# Altium PCB DB31.PcbDoc (part 4 of 8)
Units mil, origin at the board's own origin, x right, y up, seen from the top; angles counter-clockwise.
Board outline 3236.22 x 4456.69 mil, 8 copper layers (Top Layer, MidLayer1, MidLayer2, GND-Layer5, MidLayer3, VCC, MidLayer4, Bottom Layer), stack 61.8 mil thick; 226 components, 469 nets, 1815 pads, 1562 vias.
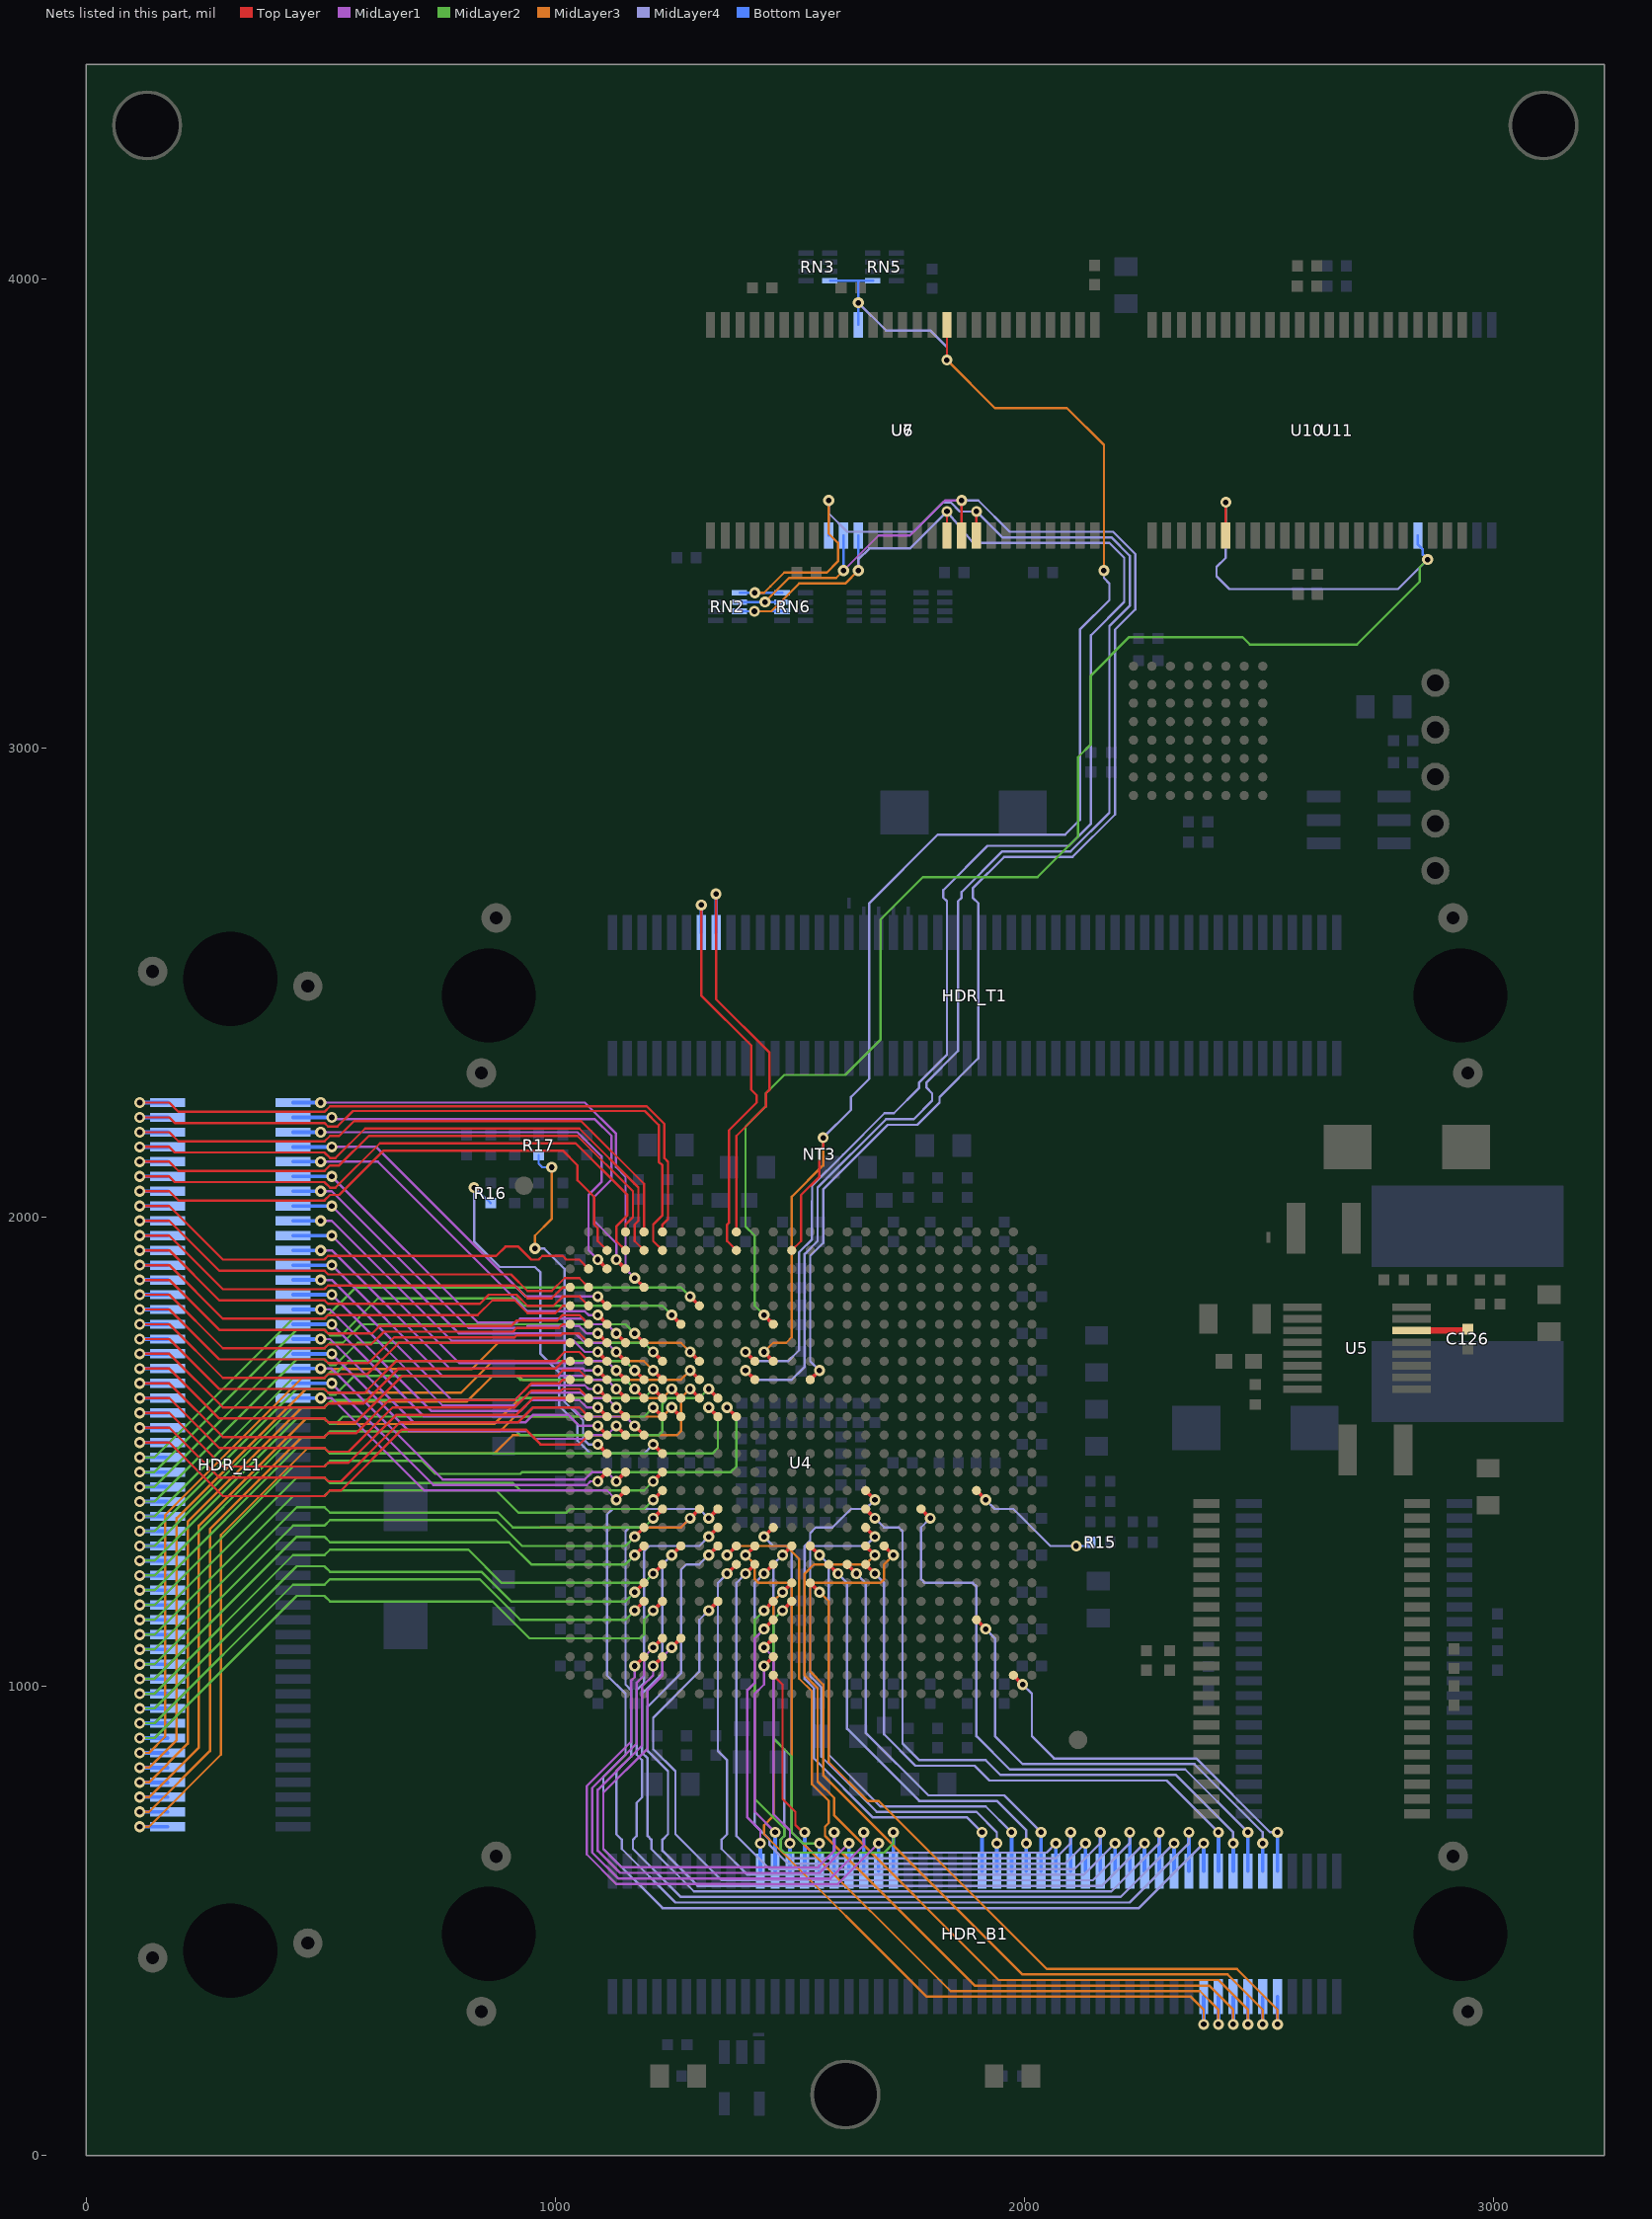
[diagram p10: the nets of this part, all layers, seen from the top]

## Via types
v1: diameter 23.62, hole 11.81, Top Layer to Bottom Layer, 947 vias
v2: diameter 23.62, hole 11.81, Top Layer to Bottom Layer, tented both sides, 476 vias
v3: diameter 27.56, hole 15.75, Top Layer to Bottom Layer, 138 vias
v4: diameter 23.62, hole 11.81, Top Layer to Bottom Layer, tented top, 1 vias

## Nets (pads, with @x,y where several pads share a name; then routed paths per layer and width w, separated by ;. In a path a pad name is that pad's centre, name@x,y a point inside that pad or via, vN(x,y) a via of type N, cw(c..) or ccw(c..) an arc to the next point about the centre after c; other vN are vias at no path point) (continued)
BUS_SDRAM_CLK: NT3.2 RN3.8 RN5.5 U4.H12 U6.38 U7.38 | length 3402.8
  Top Layer w5: NT3.2@1562.99,2141.73 1570.87,2149.61 v1(1570.87,2169.29) ; v2(1834.64,3826.77) U6.38@1834.65,3901.57
  Top Layer w7.87: v1(1444.88,1712.6) U4.H12@1464.57,1692.91
  MidLayer3 w5: v1(1444.88,1712.6) 1464.57,1732.28 1492.13,1732.28 1503.94,1744.09 1503.94,2031.49 1503.94,2039.37 1503.94,2043.31 1570.87,2110.24 v1(1570.87,2169.29) ; v2(1834.64,3826.77) 1937,3724.41 2090.55,3724.41 2169.29,3645.67 v1(2169.29,3377.95)
  MidLayer4 w5: v1(1570.87,2169.29) 1629.92,2228.35 1629.92,2255.91 1669.29,2295.28 1669.29,2669.29 1814.96,2814.96 2086.61,2814.96 2118.11,2846.46 2118.11,3251.97 2181.1,3314.96 2181.1,3350.39 2169.29,3362.2 v1(2169.29,3377.95) ; v2(1645.67,3948.82) 1704.72,3889.76 1799.21,3889.76 1834.64,3854.34 v2(1834.64,3826.77)
  Bottom Layer w5: RN3.8@1586.22,3996.06 RN5.5@1676.19,3996.06 RN5.5@1677.56,3996.06 ; U7.38@1645.67,3901.57 v2(1645.67,3948.82) 1645.67,3996.06
BUS_SDRAM_FEEDBACK: NT3.1 U4.B13 | length 221.3
  Top Layer w5: U4.B13@1503.94,1929.13 1523.62,1948.82 1523.62,2047.24 1562.99,2086.61 NT3.1@1562.99,2125.98
BUS_SDRAM_NCAS: RN2.7 RN6.6 U4.H11 U6.17 U7.17 | length 3407.4
  Top Layer w5: U6.17@1834.65,3452.76 1834.64,3499.99 v1(1834.65,3503.94)
  Top Layer w7.87: v1(1405.51,1712.6) U4.H11@1425.2,1692.91
  MidLayer3 w5: v1(1424.23,3291.34) 1460.63,3291.34 1519.68,3350.39 1618.11,3350.39 v2(1645.67,3377.95)
  MidLayer4 w5: v1(1405.51,1712.6) 1425.2,1692.91 1496.06,1692.91 1519.68,1716.54 1519.68,1925.2 1547.24,1952.76 1547.24,2031.5 1547.49,2039.37 1547.49,2067.18 1613.19,2132.87 1701.77,2221.46 1721.46,2221.46 1775.59,2275.59 1775.59,2287.4 1834.65,2346.46 1834.65,2673.23 1826.77,2681.1 1826.77,2696.85 1921.26,2791.34 2094.49,2791.34 2141.73,2838.58 2141.73,3240.16 2212.6,3311.02 2212.6,3405.51 2181.1,3437.01 1890.42,3437.01 v1(1834.65,3503.94) 1755.91,3425.2 1669.29,3425.2 1645.67,3401.57 v2(1645.67,3377.95)
  Bottom Layer w5: RN2.7@1393.3,3291.34 v1(1424.23,3291.34) RN6.6@1483.28,3291.34 RN6.6@1484.64,3291.34 ; v2(1645.67,3377.95) U7.17@1645.67,3452.76
BUS_SDRAM_NCS: RN2.5 RN6.8 U4.J11 U6.19 U7.19 | length 3648.5
  Top Layer w5: U6.19@1897.64,3452.76 v2(1897.63,3503.93)
  Top Layer w7.87: v1(1405.51,1673.23) U4.J11@1425.2,1653.54
  MidLayer3 w5: v1(1425.2,3330.71) 1444.88,3330.71 1458.54,3344.36 1488.19,3374.02 1578.74,3374.02 1602.36,3397.64 1602.36,3437.01 1582.68,3456.69 v2(1582.68,3527.56)
  MidLayer4 w5: v1(1405.51,1673.23) 1425.2,1653.54 1503.94,1653.54 1527.56,1677.16 ; 1519.68,1669.28 1531.5,1681.09 1531.5,1921.26 1559.06,1948.82 1559.06,2031.5 1559.06,2039.37 1559.06,2062.99 1704.72,2208.66 1763.78,2208.66 1803.15,2248.03 1803.15,2263.78 1791.34,2275.59 1791.34,2287.4 1858.27,2354.33 1858.27,2673.23 1866.14,2681.1 1866.14,2692.91 1952.76,2779.53 2098.43,2779.53 2181.1,2862.2 2181.1,3259.84 2224.41,3303.15 2224.41,3409.45 2185.04,3448.82 1952.76,3448.82 v2(1897.63,3503.93) 1862.21,3503.93 1842.52,3523.62 1826.77,3523.62 1763.78,3460.63 1622.05,3460.63 1582.68,3500 v2(1582.68,3527.56)
  Bottom Layer w5: RN2.5@1393.31,3330.71 v1(1425.2,3330.71) RN6.8@1483.28,3330.71 RN6.8@1484.26,3330.71 ; U7.19@1582.68,3452.76 v2(1582.68,3527.56)
BUS_SDRAM_NRAS: RN2.6 RN6.7 U4.J14 U6.18 U7.18 | length 3371.3
  Top Layer w5: U6.18@1866.14,3452.76 v1(1866.14,3527.55)
  Top Layer w7.87: U4.J14@1543.31,1653.54 v1(1562.99,1673.23)
  MidLayer1 w5: v2(1614.17,3377.95) 1688.98,3452.76 1755.91,3452.76 1830.7,3527.55 v1(1866.14,3527.55)
  MidLayer3 w5: v1(1446.86,3311.02) 1498.05,3362.2 1598.43,3362.2 v2(1614.17,3377.95)
  MidLayer4 w5: v1(1562.99,1673.23) 1543.31,1692.91 1543.31,1917.32 1570.87,1944.88 1570.87,2031.5 1570.87,2039.37 1570.87,2059.05 1708.66,2196.85 1771.65,2196.85 1818.9,2244.09 1818.9,2255.91 1901.57,2338.58 1901.57,2669.29 1889.76,2681.1 1889.76,2700.79 1956.69,2767.72 2102.36,2767.72 2192.91,2858.27 2192.91,3251.97 2236.22,3295.28 2236.22,3413.39 2188.98,3460.63 1968.5,3460.63 1901.58,3527.55 v1(1866.14,3527.55) v1@1858.27,3531.5
  Bottom Layer w5: RN2.6@1393.3,3311.02 v1(1446.86,3311.02) RN6.7@1483.28,3311.03 RN6.7@1484.64,3311.02 ; v2(1614.17,3377.95) U7.18@1614.17,3452.76
BUS_SRAM_NCS: U4.F12 U10.6 U11.6 | length 3565.7
  Top Layer w5: U10.6@2429.13,3452.76 2429.13,3503.94 v2(2429.13,3523.62)
  Top Layer w7.87: v1(1444.88,1791.34) U4.F12@1464.57,1771.65
  MidLayer2 w5: v1(1444.88,1791.34) 1425.2,1811.02 1425.2,1866.14 1425.2,1960.62 1405.51,1980.31 1405.51,2031.49 1405.51,2039.37 1405.51,2192.91 1448.82,2236.22 1448.82,2244.09 1448.82,2263.78 1488.19,2303.15 1618.11,2303.15 1692.91,2377.95 1692.91,2633.86 1783.46,2724.41 2027.56,2724.41 2114.17,2811.02 2114.17,2980.32 2141.73,3007.87 2141.73,3154.53 2223.42,3236.22 2464.57,3236.22 2480.32,3220.47 2708.66,3220.47 2842.52,3354.33 2842.52,3384.83 v2(2859.27,3401.57)
  MidLayer4 w5: v2(2429.13,3523.62) 2429.13,3405.51 2409.45,3385.83 2409.45,3366.14 2437.01,3338.58 2796.28,3338.58 v2(2859.27,3401.57)
  Bottom Layer w5: U11.6@2838.58,3452.76 2838.58,3433.42 2848.92,3423.08 2848.92,3411.92 v2(2859.27,3401.57)
BUZZER: HDR_B1.40 U4.AA12 | length 931.1
  Top Layer w7.87: v1(1444.88,1161.41) U4.AA12@1464.57,1181.1
  MidLayer2 w5: v1(1444.88,1161.41) 1425.2,1141.73 1425.2,921.26 1425.2,909.45 1425.2,759.84 1488.19,696.85 1488.19,681.1 1480.31,673.23 1480.31,653.54 1488.19,645.67 1700.79,645.67 1720.47,665.35 v2(1720.47,688.98)
  Bottom Layer w7.87: HDR_B1.40@1720.48,606.3 v2(1720.47,688.98)
CAN_RXD: HDR_T1.14 U4.B10 | length 878.4
  Top Layer w5: v2(1311.02,2665.35) 1311.02,2472.44 1417.32,2366.14 1417.32,2271.65 1429.13,2259.84 1429.13,2244.09 1370.08,2185.04 1370.08,2043.31 1370.08,2031.5 1370.08,1988.19 1366.14,1984.25 1366.14,1948.82 U4.B10@1385.83,1929.13
  Bottom Layer w7.87: HDR_T1.14@1311.02,2606.3 v2(1311.02,2665.35)
CAN_TXD: HDR_T1.16 U4.A10 | length 879.8
  Top Layer w5: v2(1342.52,2688.98) 1342.52,2464.57 1456.69,2350.39 1456.69,2271.66 1448.82,2263.78 1448.82,2236.22 1385.83,2173.23 1385.83,2043.31 1385.83,2031.5 U4.A10@1385.83,1968.5
  Bottom Layer w7.87: HDR_T1.16@1342.52,2606.3 v2(1342.52,2688.98)
COMP: C126.2 U5.6 | length 121.4
  Top Layer w13.78: U5.6@2824.58,1758.25 2942.3,1758.25 C126.2@2944.88,1760.82
CONF_DONE: R15.2 U4.R23 | length 302.6
  Top Layer w7.87: U4.R23@1897.64,1417.32 v1(1917.33,1397.64)
  MidLayer4 w5: v1(1917.33,1397.64) 1937.01,1377.95 1976.38,1377.95 2055.12,1299.21 v1(2110.24,1299.21)
  Bottom Layer w5: v1@2110.24,1307.08 v1(2110.24,1299.21) 2132.36,1299.21 R15.2@2140.23,1307.08
DATA0: R17.2 U4.N3 | length 760.6
  Top Layer w7.87: v1(1090.55,1515.75) U4.N3@1110.24,1496.06
  MidLayer3 w5: v1(956.69,1933.07) 956.69,1960.63 992.13,1996.06 v1(992.13,2106.3)
  MidLayer4 w5: v1(956.69,1933.07) 976.38,1933.07 1019.69,1889.76 1019.69,1606.3 1059.06,1566.93 1059.06,1527.56 1070.87,1515.75 v1(1090.55,1515.75)
  Bottom Layer w5: R17.2@964.56,2132.36 964.56,2114.18 972.44,2106.3 v1(992.13,2106.3)
DAU_RESET_SW: HDR_B1.38 U4.AD5 | length 1214.9
  Top Layer w7.87: v1(1169.29,1043.3) U4.AD5@1188.98,1062.99
  MidLayer1 w5: v1(1169.29,1043.3) 1169.29,1019.68 1161.42,1011.81 1161.42,921.26 1161.42,909.45 1161.42,881.89 1066.93,787.4 1066.93,641.73 1129.92,578.74 1602.36,578.74 v2(1688.98,665.35)
  Bottom Layer w7.87: HDR_B1.38@1688.98,606.3 v2(1688.98,665.35)
DAU_TFT_BLIGHT: HDR_B1.91 U4.Y14 | length 1664
  Top Layer w7.87: U4.Y14@1543.31,1220.47 v1(1562.99,1200.78)
  MidLayer3 w5: v1(1562.99,1200.78) 1582.68,1181.1 1582.68,921.26 1582.68,909.45 1582.68,838.58 1665.35,755.91 1688.98,755.91 2047.24,397.64 2452.76,397.64 2539.37,311.02 v2(2539.37,279.53)
  Bottom Layer w7.87: v2(2539.37,279.53) HDR_B1.91@2539.37,338.58
DAU_TFT_BLUE0: HDR_B1.62 U4.U12 | length 1346.5
  Top Layer w7.87: v1(1444.88,1318.9) U4.U12@1464.57,1338.58
  MidLayer4 w5: v1(1444.88,1318.9) 1464.57,1299.21 1492.13,1299.21 1503.94,1287.4 1503.94,921.26 1503.94,909.45 1503.94,688.98 1547.24,645.67 2047.24,645.67 v2(2066.93,665.35)
  Bottom Layer w7.87: HDR_B1.62@2066.93,606.3 v2(2066.93,665.35)
DAU_TFT_BLUE1: HDR_B1.64 U4.V13 | length 1420.6
  Top Layer w7.87: v1(1484.25,1279.53) U4.V13@1503.94,1299.21
  MidLayer4 w5: v1(1484.25,1279.53) 1464.57,1259.84 1464.57,921.26 1464.57,909.45 1464.57,889.76 1488.19,866.14 1488.19,681.1 1480.31,673.23 1480.31,653.54 1500,633.86 2066.93,633.86 2098.42,665.35 v2(2098.42,688.98)
  Bottom Layer w7.87: v2(2098.42,688.98) HDR_B1.64@2098.43,606.3
DAU_TFT_BLUE2: HDR_B1.66 U4.W12 | length 1394.3
  Top Layer w7.87: v1(1444.88,1240.16) U4.W12@1464.57,1259.84
  MidLayer4 w5: v1(1444.88,1240.16) 1425.2,1220.47 1425.2,921.26 1425.2,909.45 1425.2,704.72 1456.69,673.23 1456.69,661.42 1496.06,622.05 2086.62,622.05 v2(2129.92,665.35)
  Bottom Layer w7.87: HDR_B1.66@2129.92,606.3 v2(2129.92,665.35)
DAU_TFT_BLUE3: HDR_B1.68 U4.W11 | length 1529.1
  Top Layer w7.87: v1(1405.51,1240.16) U4.W11@1425.2,1259.84
  MidLayer4 w5: v1(1405.51,1240.16) 1385.83,1220.47 1385.83,921.26 1385.83,909.45 1385.83,681.1 1456.69,610.24 2106.3,610.24 2161.42,665.35 v2(2161.42,688.98)
  Bottom Layer w7.87: HDR_B1.68@2161.42,606.3 v2(2161.42,688.98)
DAU_TFT_BLUE4: HDR_B1.70 U4.W10 | length 1583.8
  Top Layer w7.87: v1(1366.14,1240.16) U4.W10@1385.83,1259.84
  MidLayer4 w5: v1(1366.14,1240.16) 1346.46,1220.47 1346.46,921.26 1346.46,909.45 1346.46,862.2 1366.14,842.52 1366.14,685.04 1354.33,673.23 1354.33,653.54 1409.45,598.43 2125.98,598.43 v2(2192.91,665.35)
  Bottom Layer w7.87: HDR_B1.70@2192.92,606.3 v2(2192.91,665.35)
DAU_TFT_CL1: HDR_B1.88 U4.T20 | length 1355.7
  Top Layer w7.87: U4.T20@1779.53,1377.95 v1(1799.22,1358.27)
  MidLayer4 w5: v1(1799.22,1358.27) 1779.53,1338.58 1779.53,1228.35 1787.4,1220.47 1889.76,1220.47 1897.64,1212.6 1897.64,921.26 1897.64,911.26 1897.64,893.7 1968.5,822.83 2342.52,822.83 v2@2476.38,688.98
  Bottom Layer w7.87: HDR_B1.88@2476.38,606.3 v2(2476.38,688.98)
DAU_TFT_CL2: HDR_B1.90 U4.AB23 | length 1061.7
  Top Layer w7.87: U4.AB23@1897.64,1141.73 v1(1917.33,1122.04)
  MidLayer4 w5: v1(1917.33,1122.04) 1937.01,1102.36 1937.01,921.26 1937.01,909.45 1937.01,893.7 1996.06,834.65 2362.2,834.65 2507.87,688.98 v2(2507.87,665.35)
  Bottom Layer w7.87: v2(2507.87,665.35) HDR_B1.90@2507.88,606.3 v2(2507.87,665.35)
DAU_TFT_CL3: HDR_B1.92 U4.AE25 | length 837.3
  Top Layer w7.87: U4.AE25@1976.38,1023.62 v1(1996.07,1003.94)
  MidLayer4 w5: v1(1996.07,1003.94) 2015.75,984.25 2015.75,921.26 2015.75,909.45 2015.75,893.7 2062.99,846.46 2366.14,846.46 2523.62,688.98 v2(2539.37,688.98)
  Bottom Layer w7.87: HDR_B1.92@2539.37,606.3 v2(2539.37,688.98)
DAU_TFT_DISP_ON: HDR_B1.89 U4.V18 | length 1898.8
  Top Layer w7.87: U4.V18@1700.79,1299.21 v1(1720.47,1279.53)
  MidLayer3 w5: v1(1720.47,1279.53) 1700.79,1259.84 1700.79,1228.35 1692.91,1220.47 1551.18,1220.47 1543.31,1212.6 1543.31,1031.49 1570.87,1003.94 1570.87,921.26 1570.87,909.45 1570.87,811.02 1996.06,385.83 2433.07,385.83 2507.87,311.02 v2(2507.88,279.53)
  Bottom Layer w7.87: v2(2507.88,279.53) HDR_B1.89@2507.88,338.58
DAU_TFT_GREEN0: HDR_B1.72 U4.AA9 | length 1720.9
  Top Layer w7.87: v1(1326.77,1161.42) U4.AA9@1346.46,1181.1
  MidLayer4 w5: v1(1326.77,1161.42) 1307.09,1141.73 1307.09,1031.5 1208.66,933.07 1208.66,921.26 1208.66,909.45 1208.66,866.14 1255.91,818.9 1255.91,685.04 1354.33,586.61 2145.67,586.61 2224.41,665.36 v2(2224.41,688.98)
  Bottom Layer w7.87: HDR_B1.72@2224.41,606.3 v2(2224.41,688.98)
DAU_TFT_GREEN1: HDR_B1.74 U4.V9 | length 1905.7
  Top Layer w7.87: v1(1326.77,1279.53) U4.V9@1346.46,1299.21
  MidLayer4 w5: v1(1326.77,1279.53) 1307.09,1259.84 1279.53,1259.84 1267.72,1248.03 1267.72,1027.56 1196.85,956.69 1196.85,921.26 1196.85,909.45 1196.85,862.2 1240.16,818.9 1240.16,685.04 1228.35,673.23 1228.35,649.61 1303.15,574.8 2165.35,574.8 v2(2255.9,665.35)
  Bottom Layer w7.87: HDR_B1.74@2255.91,606.3 v2(2255.9,665.35)
DAU_TFT_GREEN2: HDR_B1.76 U4.V7 | length 1957
  Top Layer w7.87: v1(1248.03,1279.53) U4.V7@1267.72,1299.21
  MidLayer4 w5: v1(1248.03,1279.53) 1228.35,1259.84 1228.35,1027.56 1185.04,984.25 1185.04,921.26 1185.04,909.45 1185.04,858.27 1196.85,846.46 1196.85,681.1 1204.72,673.23 1204.72,653.54 1295.28,562.99 2185.04,562.99 2287.4,665.35 v2(2287.4,688.98)
  Bottom Layer w7.87: HDR_B1.76@2287.41,606.3 v2(2287.4,688.98)
DAU_TFT_GREEN3: HDR_B1.78 U4.U9 | length 2134.4
  Top Layer w7.87: v1(1326.77,1318.9) U4.U9@1346.46,1338.58
  MidLayer4 w5: v1(1326.77,1318.9) 1307.09,1299.21 1200.79,1299.21 1188.98,1287.4 1188.98,1007.87 1173.23,992.13 1173.23,921.26 1173.23,909.45 1173.23,854.33 1185.04,842.52 1185.04,763.78 1173.23,751.97 1173.23,681.1 1165.35,673.23 1165.35,653.54 1267.72,551.18 2204.72,551.18 v2(2318.9,665.35)
  Bottom Layer w7.87: HDR_B1.78@2318.9,606.3 v2(2318.9,665.35)
DAU_TFT_GREEN4: HDR_B1.80 U4.T8 | length 2618.5
  Top Layer w7.87: v1(1287.4,1358.27) U4.T8@1307.09,1377.95
  MidLayer3 w5: 968.51,1338.58 1267.72,1338.58 v1(1287.4,1358.27)
  MidLayer4 w5: v1(1287.4,1358.27) 1267.72,1338.58 1157.48,1338.58 1149.61,1330.71 1149.61,1003.94 1161.42,992.13 1161.42,921.26 1161.42,909.45 1161.42,850.39 1129.92,818.9 1129.92,685.04 1141.73,673.23 1141.73,653.54 1255.91,539.37 2224.41,539.37 2350.39,665.35 v2(2350.39,688.98)
  Bottom Layer w7.87: HDR_B1.80@2350.4,606.3 v2(2350.39,688.98)
DAU_TFT_GREEN5: HDR_B1.82 U4.T9 | length 2453.7
  Top Layer w7.87: v1(1326.77,1358.27) U4.T9@1346.46,1377.95
  MidLayer4 w5: v1(1326.77,1358.27) 1307.09,1377.95 1122.05,1377.95 1110.24,1366.14 1110.24,1023.62 1149.61,984.25 1149.61,921.26 1149.61,909.45 1149.61,854.33 1102.36,807.09 1102.36,653.54 1228.35,527.56 2244.09,527.56 v2(2381.89,665.35)
  Bottom Layer w7.87: HDR_B1.82@2381.89,606.3 v2(2381.89,665.35)
DAU_TFT_IRQ: HDR_B1.81 U4.Y13 | length 1742.4
  Top Layer w7.87: v1(1484.25,1200.78) U4.Y13@1503.94,1220.47
  MidLayer3 w5: v1(1484.25,1200.78) 1464.57,1181.1 1464.57,921.26 1464.57,909.45 1464.57,723.43 1444.88,703.74 1444.88,685.04 1791.34,338.58 2354.33,338.58 2381.89,311.02 v2(2381.89,279.53)
  Bottom Layer w7.87: v2(2381.89,279.53) HDR_B1.81@2381.89,338.58
DAU_TFT_M: HDR_B1.87 U4.V17 | length 1879.3
  Top Layer w7.87: U4.V17@1661.42,1299.21 v1(1681.1,1279.53)
  MidLayer3 w5: v1(1681.1,1279.53) 1661.42,1259.84 1551.18,1259.84 1531.5,1240.16 1531.5,1160.43 1531.5,1023.62 1559.06,996.06 1559.06,921.26 1559.06,909.45 1559.06,797.24 1594.49,761.81 1594.49,724.41 1944.88,374.02 2413.39,374.02 2476.38,311.02 v2(2476.38,279.53)
  Bottom Layer w7.87: v2(2476.38,279.53) HDR_B1.87@2476.38,338.58
DAU_TFT_MUX: HDR_B1.85 U4.V10 | length 1934.8
  Top Layer w7.87: v1(1366.14,1279.53) U4.V10@1385.83,1299.21
  MidLayer3 w5: v1(1366.14,1279.53) 1385.83,1299.21 1492.13,1299.21 1519.68,1271.65 1519.68,1016.73 1547.24,989.17 1547.24,921.26 1547.24,909.45 1547.24,791.34 1582.68,755.91 1582.68,708.66 1574.8,700.79 1574.8,681.1 1893.7,362.2 2393.7,362.2 2444.88,311.02 v2(2444.88,279.53)
  Bottom Layer w7.87: v2(2444.88,279.53) HDR_B1.85@2444.89,338.58
DAU_TFT_POL: HDR_B1.83 U4.V11 | length 1852.6
  Top Layer w7.87: v1(1405.51,1279.53) U4.V11@1425.2,1299.21
  MidLayer3 w5: v1(1405.51,1279.53) 1425.2,1259.84 1425.2,1228.35 1433.07,1220.47 1496.06,1220.47 1503.94,1212.6 1503.94,921.26 1503.94,909.45 1503.94,688.98 1842.52,350.39 2374.02,350.39 2413.39,311.03 v2(2413.39,279.53)
  Bottom Layer w7.87: v2(2413.39,279.53) HDR_B1.83@2413.39,338.58
DAU_TFT_RED0: HDR_B1.52 U4.R17 | length 1194.5
  Top Layer w7.87: U4.R17@1661.42,1417.32 v1(1681.1,1397.64)
  MidLayer4 w5: v1(1681.1,1397.64) 1661.42,1377.95 1629.92,1377.95 1590.55,1338.58 1555.12,1338.58 1543.31,1326.77 1543.31,1311.02 1531.5,1299.21 1531.5,1015.75 1551.18,996.06 1551.18,921.26 1551.18,909.45 1551.18,846.46 1677.17,720.47 1870.08,720.47 1877.95,720.47 v2(1909.45,688.98)
  Bottom Layer w7.87: HDR_B1.52@1909.45,606.3 v2(1909.45,688.98)
DAU_TFT_RED1: HDR_B1.54 U4.U17 | length 1151.3
  Top Layer w7.87: U4.U17@1661.42,1338.58 v1(1681.1,1318.9)
  MidLayer4 w5: v1(1681.1,1318.9) 1661.42,1299.21 1551.18,1299.21 1543.31,1291.34 1543.31,1021.65 1566.93,998.03 1566.93,921.26 1566.93,909.45 1566.93,850.39 1685.04,732.28 1897.64,732.28 1940.94,688.98 v2(1940.94,665.35)
  Bottom Layer w7.87: HDR_B1.54@1940.95,606.3 v2(1940.94,665.35)
DAU_TFT_RED2: HDR_B1.56 U4.V14 | length 1002.1
  Top Layer w7.87: U4.V14@1543.31,1299.21 v1(1562.99,1279.53)
  MidLayer4 w5: v1(1562.99,1279.53) 1582.68,1259.84 1582.68,921.26 1582.68,909.45 1582.68,854.33 1692.91,744.1 1881.89,744.1 1917.32,744.09 v2(1972.44,688.98)
  Bottom Layer w7.87: HDR_B1.56@1972.44,606.3 v2(1972.44,688.98)
DAU_TFT_RED3: HDR_B1.58 U4.W15 | length 924.9
  Top Layer w7.87: U4.W15@1582.68,1259.84 v1(1602.36,1240.16)
  MidLayer4 w5: v1(1602.36,1240.16) 1622.05,1220.47 1622.05,921.26 1622.05,909.45 1775.59,755.91 1940.94,755.91 2003.94,692.92 v2(2003.94,665.35)
  Bottom Layer w7.87: HDR_B1.58@2003.94,606.3 v2(2003.94,665.35)
DAU_TFT_RED4: HDR_B1.60 U4.W16 | length 935.1
  Top Layer w7.87: U4.W16@1622.05,1259.84 v1(1641.73,1240.16)
  MidLayer4 w5: v1(1641.73,1240.16) 1661.42,1220.47 1661.42,921.26 1661.42,910.43 1661.42,901.57 1795.28,767.71 1956.69,767.71 ; 1940.94,767.72 1956.69,767.72 ; v2(2035.43,688.98) 1956.69,767.71
  Bottom Layer w7.87: HDR_B1.60@2035.44,606.3 v2(2035.43,688.98)
DAU_TFT_STH: HDR_B1.86 U4.T17 | length 1416.7
  Top Layer w7.87: U4.T17@1661.42,1377.95 v1(1681.1,1358.27)
  MidLayer4 w5: v1(1681.1,1358.27) 1700.79,1338.58 1732.28,1338.58 1740.16,1330.71 1740.16,921.26 1740.16,909.45 1740.16,877.95 1775.59,842.52 1917.32,842.52 1948.82,811.02 2322.84,811.02 2444.88,688.98 v2(2444.88,665.35)
  Bottom Layer w7.87: HDR_B1.86@2444.89,606.3 v2(2444.88,665.35)
DAU_TFT_STV: HDR_B1.84 U4.W17 | length 1260.2
  Top Layer w7.87: U4.W17@1661.42,1259.84 v1(1681.1,1240.16)
  MidLayer4 w5: v1(1681.1,1240.16) 1700.79,1220.47 1700.79,921.26 1700.79,911.26 1700.79,897.64 1767.72,830.71 1893.7,830.71 1925.2,799.21 2303.15,799.21 v2@2413.38,688.98
  Bottom Layer w7.87: HDR_B1.84@2413.39,606.3 v2(2413.38,688.98)
DCLK: R16.2 U4.N6 | length 931.9
  Top Layer w7.87: v1(1208.66,1515.75) U4.N6@1228.35,1496.06
  MidLayer4 w5: v1(826.77,2062.99) 826.77,1948.6 881.67,1893.7 956.69,1893.7 968.5,1881.89 968.5,1708.66 1007.87,1669.29 1007.87,1598.42 1047.24,1559.05 1047.24,1523.62 1059.88,1510.98 1074.8,1496.06 1188.98,1496.06 v1(1208.66,1515.75)
  Bottom Layer w5: v1(826.77,2062.99) 860.7,2031.5 R16.2@862.2,2030
DIP0: HDR_B1.22 U4.AB12 | length 569.7
  Top Layer w7.87: v1(1444.88,1122.04) U4.AB12@1464.57,1141.73
  MidLayer1 w5: v2(1437.01,665.35) 1437.01,692.91 1409.45,720.47 1409.45,909.45 1409.45,921.26 1409.45,992.13 1425.2,1007.87 1425.2,1102.36 v1(1444.88,1122.04)
  Bottom Layer w7.87: HDR_B1.22@1437.01,606.3 v2(1437.01,665.35)
DIP1: HDR_B1.24 U4.AD12 | length 490.9
  Top Layer w7.87: v1(1444.88,1043.3) U4.AD12@1464.57,1062.99
  MidLayer1 w5: v1(1444.88,1043.3) 1444.88,1003.93 1425.2,984.25 1425.2,921.26 1425.2,909.45 1425.2,732.28 v2(1468.5,688.98)
  Bottom Layer w7.87: HDR_B1.24@1468.51,606.3 v2(1468.5,688.98)
DIP2: HDR_B1.26 U4.AC12 | length 527
  Top Layer w7.87: v1(1444.88,1082.67) U4.AC12@1464.57,1102.36
  MidLayer1 w5: v1(1444.88,1082.67) 1464.57,1062.99 1464.57,921.26 1464.57,909.45 1464.57,728.35 1500,692.91 v2(1500,665.35)
  Bottom Layer w7.87: HDR_B1.26@1500,606.3 v2(1500,665.35)